# Altium PCB 2019.07.15.master.PcbDoc (part 5 of 7)
Units mm, origin at the board's own origin, x right, y up, seen from the top; angles counter-clockwise.
Board outline 160 x 120 mm, 6 copper layers (Top Signal, Top GND, Inner PWR, Inner Signal, Bottom GND, Bottom Signal), stack 1.571 mm thick; 408 components, 388 nets, 1700 pads, 1310 vias.
Unrouted connection lines stored in the file: 2.
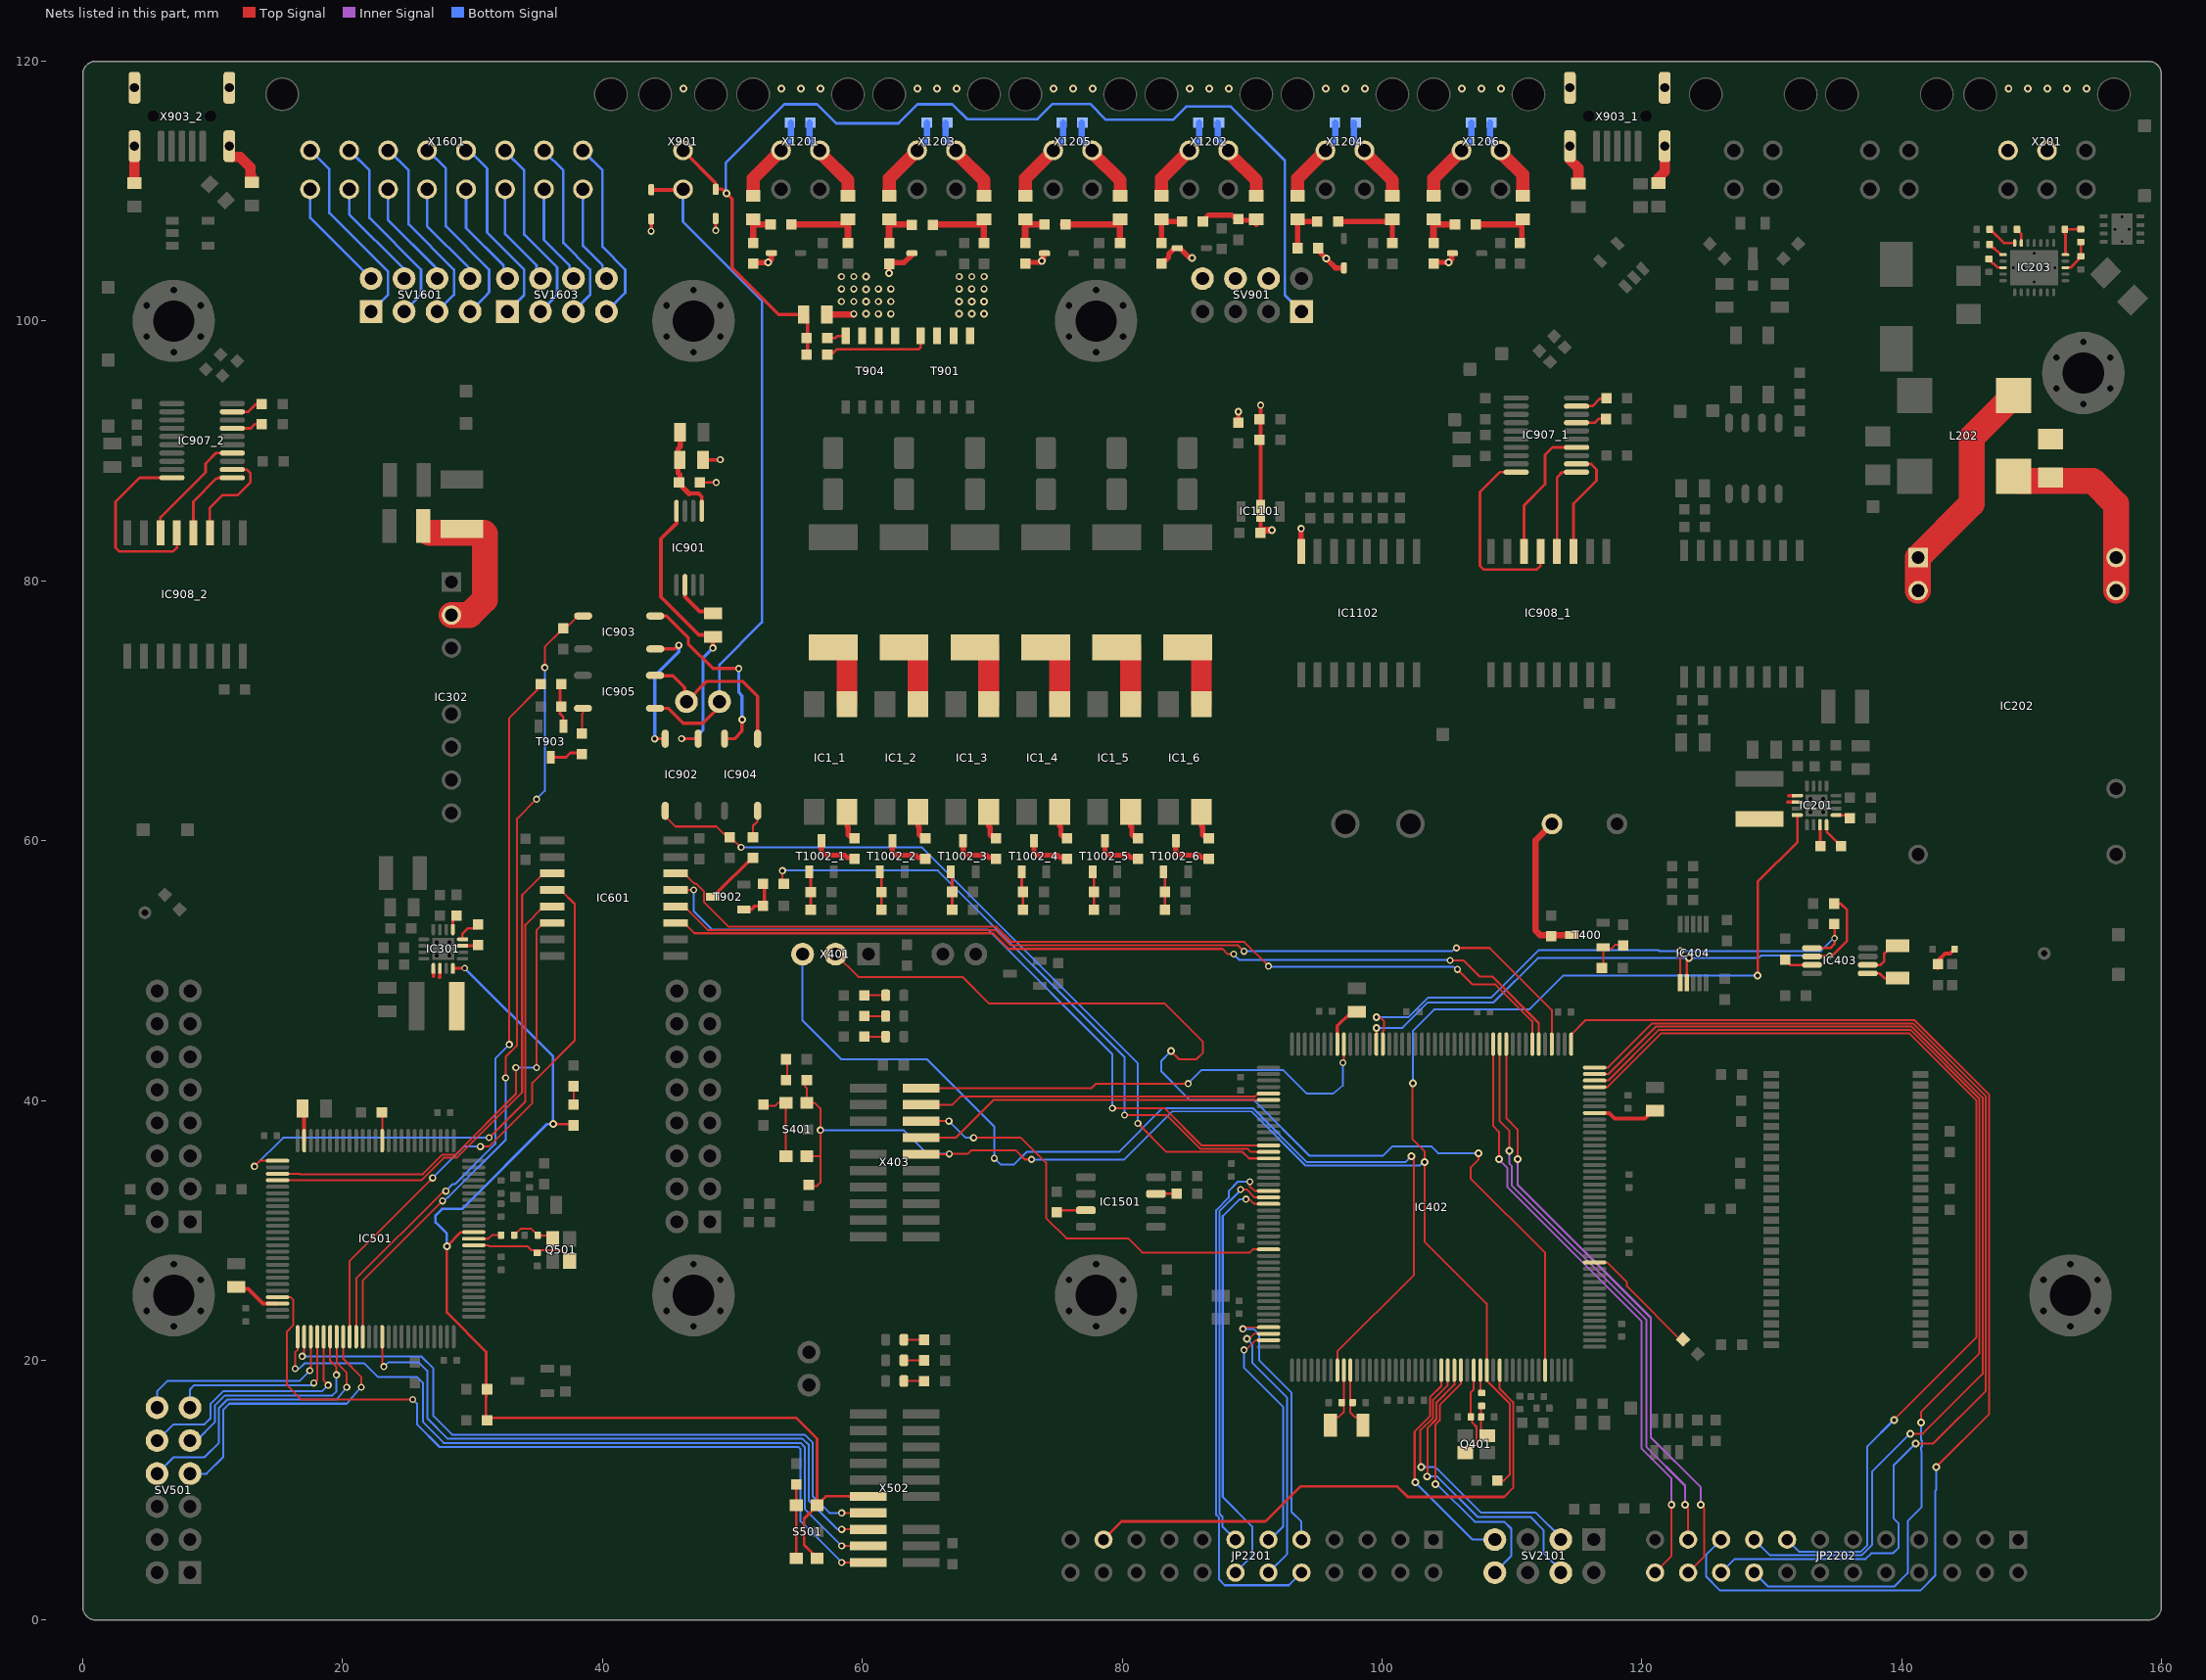
[diagram p9: the nets of this part, all layers, seen from the top]

## Via types
v1: diameter 0.6, hole 0.3, Top Signal to Bottom Signal, 988 vias
v2: diameter 0.55, hole 0.3, Top Signal to Bottom Signal, tented both sides, 231 vias
v3: diameter 0.5, hole 0.3, Top Signal to Bottom Signal, tented both sides, 42 vias
v4: diameter 0.45, hole 0.2, Top Signal to Bottom Signal, 31 vias
v5: diameter 0.55, hole 0.3, Top Signal to Bottom Signal, 12 vias
v6: diameter 0.6, hole 0.3, Top Signal to Bottom Signal, tented both sides, 5 vias
v7: diameter 0.5, hole 0.3, Top Signal to Bottom Signal, 1 vias

## Nets (pads, with @x,y where several pads share a name; then routed paths per layer and width w, separated by ;. In a path a pad name is that pad's centre, name@x,y a point inside that pad or via, vN(x,y) a via of type N, cw(c..) or ccw(c..) an arc to the next point about the centre after c; other vN are vias at no path point) (continued)
GND_EXT_2: C901.2 C902.2 C1101.2 C1102.2 C1103.2 C1104.2 D901.2 D902.2 D1101.2 D1102.2 D1103.2 D1104.2 D1105.2 D1106.2 IC1101.2 IC1102.8 R906.1 R1201.2 R1202.2 R1203.2 R1204.2 R1205.2 R1206.2 SV901.4 SV901.6 SV901.8 T901.1 T901.2 T901.3 T904.1 T904.2 T904.3 X201.1 X201.2 | length 34.7
  Top Signal w0.203: D902.2@43.754,107.846 D902.2@43.78,107.873 ; C902.2@47.541,87.577 v2(48.755,87.577)
  Top Signal w0.254: v2(43.754,106.92) D902.2@43.754,107.846 ; C901.2@47.8,89.323 v2(49.073,89.323) ; v2(48.717,106.985) D901.2@48.717,107.892
  Top Signal w0.305: C1104.2@88.951,92.114 v1(88.951,93.019) ; v2(90.66,93.531) v2(90.66,93.531) 90.661,92.44 IC1101.2@90.661,85.391 C1103.2@90.661,84.026
  Top Signal w0.4: R1201.2@51.595,104.518 51.606,104.507 v1(52.768,104.507) 53.002,104.741 D1101.2@53.002,105.232 ; R1203.2@62.061,104.518 R1203.2@62.072,104.507 ; v1(62.072,103.683) R1203.2@62.072,104.407 R1203.2@62.072,104.507 ; D1103.2@63.823,105.218 63.823,105.095 63.234,104.507 R1203.2@62.072,104.507 ; R1205.2@72.539,104.529 72.55,104.518 73.712,104.518 v1(73.829,104.635) 73.946,104.752 D1105.2@73.946,105.243 ; R1202.2@83.027,104.518 83.178,104.668 83.345,104.668 83.579,104.902 83.579,105.148 84.044,105.613 D1102.2@84.244,105.613 84.444,105.613 85.206,104.851 v1(85.389,104.851) ; IC1102.8@93.777,82.269 v2(93.777,84.026) ; R1204.2@94.998,105.613 94.998,105.513 v1(95.708,104.803) 96.418,104.093 D1104.2@97.079,104.093 ; R1206.2@103.971,104.529 103.982,104.518 v1(105.144,104.518) 105.379,104.752 D1106.2@105.379,105.243
  Top Signal w0.5: R906.1@57.19,100.508 59.292,100.508 59.329,100.544 v2(59.342,100.544) ; C1103.2@90.565,83.693 90.74,83.693 90.947,83.9 v1(91.516,83.9)
  Bottom Signal w1.27: SV901.4@91.27,103.27 SV901.4@91.281,103.27
  other v1: 60.301,100.544 67.468,100.544 68.42,100.544 69.373,100.544 60.301,101.497 67.468,101.51 68.42,101.51 69.373,101.51 60.301,102.449 60.301,103.427 46.232,117.881 53.777,117.881 55.277,117.881 56.777,117.881 64.255,117.881 65.755,117.881 67.255,117.881 74.732,117.881 76.232,117.881 77.732,117.881 85.21,117.881 86.71,117.881 88.21,117.881 95.687,117.881 97.187,117.881 98.687,117.881 106.165,117.881 107.665,117.881 109.165,117.881 148.23,117.881 149.73,117.881 151.23,117.881 152.73,117.881 154.23,117.881
  other v2: 61.247,100.544 62.2,100.544 58.39,101.51 59.342,101.51 61.247,101.51 62.2,101.51 58.39,102.475 59.342,102.475 61.247,102.475 62.2,102.475 67.468,102.475 68.42,102.475 69.373,102.475 58.39,103.427 59.355,103.427 67.468,103.427 68.433,103.427 69.385,103.427
GPIO.RTC_INT#: IC403.7 R410.1 | length 2.2
  Top Signal w0.2: R410.1@131.041,50.847 131.458,50.429 IC403.7@133.101,50.429
GPIO_MCU_1_0: IC501.83 SV501.7 | length 22.4
  Top Signal w0.152: IC501.83@20.042,21.604 20.042,20.106 21.431,18.718 v2(21.431,17.924)
  Bottom Signal w0.152: SV501.7@8.255,11.27 8.269,11.256 9.525,11.256 10.795,12.526 10.795,16.178 11.271,16.654 20.32,16.654 v2(21.431,17.924)
GPIO_MCU_1_1: IC501.82 SV501.8 | length 23
  Top Signal w0.152: IC501.82@19.543,21.604 19.543,19.813 20.32,19.035 v2(20.32,17.924)
  Bottom Signal w0.152: SV501.8@5.715,11.27 6.971,12.526 9.366,12.526 10.477,13.638 10.477,16.336 11.112,16.971 19.526,16.971 v2(20.32,17.924)
GPIO_MCU_1_2: IC501.81 SV501.9 | length 18
  Top Signal w0.152: IC501.81@19.042,21.804 19.042,19.953 19.526,19.47 v2(19.526,18.876)
  Bottom Signal w0.152: SV501.9@8.255,13.81 8.745,13.81 10.16,15.225 10.16,16.495 10.954,17.289 19.209,17.289 19.526,17.606 v2(19.526,18.876)
GPIO_MCU_1_3: IC501.80 SV501.10 | length 19.3
  Top Signal w0.152: IC501.80@18.543,21.604 18.543,18.431 v2(18.891,18.083)
  Bottom Signal w0.152: SV501.10@5.715,13.81 6.971,15.066 9.366,15.066 9.842,15.543 9.842,16.654 10.795,17.606 18.415,17.606 v2(18.891,18.083)
GPIO_MCU_1_4: IC501.79 SV501.11 | length 14.9
  Top Signal w0.152: 18.042,18.455 v2(17.78,18.241) 18.042,18.504 IC501.79@18.042,21.604
  Bottom Signal w0.152: SV501.11@8.255,16.35 8.255,17.765 8.572,18.083 17.621,18.083 v2(17.78,18.241)
GPIO_MCU_1_5: IC501.78 SV501.12 | length 16.1
  Top Signal w0.152: v2(17.462,19.194) 17.543,19.274 IC501.78@17.543,21.604
  Bottom Signal w0.152: SV501.12@5.715,16.35 5.715,17.606 6.509,18.4 16.669,18.4 v2(17.462,19.194)
HSE_1_MCU_0: C402.2 IC402.29 Q401.1 | length 7.1
  Top Signal w0.152: Q401.1@106.424,12.893 106.824,13.293 107,13.293 107.283,13.577 107.283,14.863 106.932,15.214 106.932,15.541 C402.2@106.839,15.634 106.839,17.531 107.072,17.764 IC402.29@107.072,19.234
HSE_1_MCU_1: C501.2 IC501.12 Q501.1 | length 7.9
  Top Signal w0.152: IC501.12@30.092,28.854 31.183,28.854 31.255,28.782 34.212,28.782 34.523,28.471 36.755,28.471 37.049,28.177 37.049,28.068 Q501.1@37.473,27.644
HSE_2_MCU_0: IC402.30 Rext_0.1 | length 1.8
  Top Signal w0.152: IC402.30@107.56,19.221 IC402.30@107.573,19.234 107.573,17.588 Rext_0.1@107.681,17.48
HSE_2_MCU_1: IC501.13 Rext_1.1 | length 2.2
  Top Signal w0.152: IC501.13@30.092,29.354 31.209,29.354 31.483,29.628 Rext_1.1@32.201,29.628
I2C3.SCL: IC402.119 IC403.6 IC404.7 R414.1 | length 47.3
  Top Signal w0.2: IC402.119@99.573,44.334 99.573,45.335 99.577,45.34 v1(99.577,45.587) ; IC404.7@123.462,49.061 123.462,50.891 123.524,50.953 v1(123.65,50.953) ; IC403.6@133.101,51.079 133.152,51.13 v3(134.468,51.13) 134.544,51.13 134.595,51.079 135.803,52.288 135.803,54.654 135.304,55.154 R414.1@134.807,55.154
  Bottom Signal w0.15: v1(99.577,45.587) 101.587,45.587 103.549,47.549 108.605,47.549 112.009,50.953 v1(123.65,50.953) 128.98,50.953 129.182,51.156 v3@134.468,51.156
I2C3.SDA: IC402.118 IC403.5 IC404.6 R415.1 | length 46.2
  Top Signal w0.15: v1(99.577,46.392) 99.865,46.392 100.178,46.079 100.178,45.44 100.072,45.335 IC402.118@100.072,44.334 ; IC404.6@122.962,49.061 v1(122.963,51.511)
  Top Signal w0.2: IC403.5@133.102,51.729 134.527,51.729 134.849,52.052 v3(134.849,52.49) 134.849,53.529 R415.1@134.805,53.573
  Bottom Signal w0.15: v1(99.577,46.392) 102.038,46.392 103.55,47.904 108.409,47.904 112.066,51.56 121.305,51.56 121.354,51.511 v1(122.963,51.511) 126.298,51.511 126.316,51.493 126.732,51.493 126.75,51.511 133.808,51.511 v3@134.817,52.521
INTERLOCK_CONTROL_MCU_0: IC402.146 R909.2 | length 50
  Top Signal w0.152: R909.2@53.859,56.678 v2(53.859,57.683) ; v2(80.188,38.862) 83.44,38.862 86.021,36.281 89.66,36.281 89.908,36.034 IC402.146@91.072,36.034
  Bottom Signal w0.152: v2(53.859,57.683) 53.879,57.704 65.822,57.704 80.188,43.338 80.188,39.002 80.328,38.862 v2(80.188,38.862)
INTERLOCK_CONTROL_MCU_1: IC501.85 R912.2 | length 56.5
  Top Signal w0.152: IC501.85@21.042,21.604 21.042,26.291 27.696,32.944 27.864,32.944 v2(27.94,33.02) ; v2(32.827,44.312) 32.827,69.449 35.186,71.808 R912.2@35.186,72.058
  Bottom Signal w0.152: v2(27.94,33.02) 28.478,33.558 28.646,33.558 31.752,36.664 31.752,43.236 v2(32.827,44.312)
INTERLOCK_FEEDBACK_MCU_0: IC402.147 IC902.3 R903.2 | length 59.8
  Top Signal w0.152: IC902.3@44.831,61.84 44.863,61.84 45.618,61.085 48.785,61.085 49.709,60.161 R903.2@49.809,60.161 ; R903.2@49.818,60.161 49.951,60.161 50.626,59.487 v2(50.667,59.487) ; v2(81.217,38.227) 83.415,36.029 89.271,36.029 89.766,35.534 IC402.147@91.072,35.534
  Bottom Signal w0.152: v2(50.667,59.487) 64.573,59.487 81.217,42.843 v2(81.217,38.227)
INTERLOCK_FEEDBACK_MCU_1: IC501.86 IC903.3 R904.2 | length 63
  Top Signal w0.152: IC501.86@21.543,21.804 21.543,26.115 v2(27.686,32.258) ; v2(32.544,41.736) 32.544,43.352 33.436,44.244 33.436,61.697 v2(34.925,63.187) ; v2(35.56,73.328) 35.56,74.921 36.889,76.25 37.064,76.25 38.112,77.298 IC903.3@38.511,77.298
  Bottom Signal w0.152: v2(27.686,32.258) 27.794,32.258 28.077,32.542 28.138,32.542 32.544,36.947 v2(32.544,41.736) ; v2(34.925,63.187) 35.56,63.822 v2(35.56,73.328)
INTERLOCK_STATUS: D901.1 R905.1 R906.2 R913.1 SV901.1 X901.1 | length 85.5
  Top Signal w0.152: X901.1@46.2,113.06 X901.1@46.2,113.14
  Top Signal w0.254: X901.1@46.2,113.14 48.717,110.623 D901.1@48.717,110.142 49.243,110.142 v1(49.555,109.83) 49.976,109.409 49.976,104.094 53.562,100.508 55.79,100.508 R905.1@55.79,97.409
  Bottom Signal w0.203: v1@49.505,109.929 49.505,112.192 54,116.688 56.515,116.688 57.988,115.214 62.789,115.214 64.262,116.688 66.929,116.688 68.072,115.545 73.482,115.545 74.651,116.713 77.546,116.713 78.765,115.494 83.922,115.494 84.938,116.51 88.367,116.51 92.532,112.344 92.532,102.008 SV901.1@93.81,100.73 SV901.1@93.821,100.719
ISO_FTDI_DTR_1: IC907_1.1 IC908_1.4 | length 7.4
  Top Signal w0.2: IC908_1.4@113.476,82.269 113.476,87.937 113.855,88.316 ; 113.762,88.316 113.855,88.316 ; 113.855,88.316 113.903,88.364 IC907_1.1@114.98,88.364 ; IC907_1.1@114.98,88.364 IC907_1.1@114.983,88.367 IC907_1.1@114.98,88.364
ISO_FTDI_DTR_2: IC907_2.1 IC908_2.4 | length 6.2
  Top Signal w0.2: IC908_2.4@8.509,83.693 8.509,86.106 10.287,87.884 10.381,87.884 10.429,87.932 11.505,87.932 IC907_2.1@11.508,87.935
ISO_FTDI_RTS_1: IC907_1.2 IC908_1.3 | length 8.8
  Top Signal w0.2: IC908_1.3@114.746,82.269 114.746,85.948 116.52,87.722 116.52,88.58 116.101,88.999 114.985,88.999 IC907_1.2@114.983,89.002
ISO_FTDI_RTS_2: IC907_2.2 IC908_2.3 | length 8.1
  Top Signal w0.2: IC908_2.3@9.779,83.693 9.779,85.623 10.744,86.589 11.905,86.589 12.903,87.587 12.903,88.29 12.627,88.567 11.511,88.567 IC907_2.2@11.508,88.57
ISO_FTDI_RX_1: IC907_1.4 IC908_1.6 | length 10.8
  Top Signal w0.2: IC908_1.6@110.936,82.269 110.936,85.806 112.561,87.43 112.561,89.702 113.13,90.272 IC907_1.4@114.983,90.272
ISO_FTDI_RX_2: IC907_2.4 IC908_2.6 | length 9.2
  Top Signal w0.2: IC908_2.6@5.969,83.693 5.969,84.887 9.449,88.367 9.449,89.027 10.262,89.84 IC907_2.4@11.508,89.84
ISO_FTDI_TX_1: IC907_1.20 IC908_1.5 | length 15.1
  Top Signal w0.2: IC907_1.20@110.333,88.367 109.072,88.367 107.544,86.839 107.544,81.153 107.823,80.874 111.927,80.874 112.206,81.153 IC908_1.5@112.206,82.269
ISO_FTDI_TX_2: IC907_2.20 IC908_2.5 | length 14.7
  Top Signal w0.2: IC907_2.20@6.858,87.935 4.369,87.935 2.515,86.081 2.515,82.55 2.794,82.271 6.96,82.271 7.239,82.55 IC908_2.5@7.239,83.693
ISO_GPIO_MCU_0_IN_0: IC402.100 JP2202.21 | length 44.1
  Top Signal w0.15: IC402.100@109.072,44.334 109.072,38.404 109.804,37.672 v1(109.804,36.119) ; v1(123.339,8.865) 123.572,8.631 JP2202.21@123.572,6.19
  Inner Signal w0.15: v1(109.804,36.119) 109.804,35.143 109.99,34.956 109.99,33.478 120.346,23.122 120.346,13.334 123.339,10.341 v1(123.339,8.865)
ISO_GPIO_MCU_0_IN_1: IC402.101 JP2202.24 | length 47.4
  Top Signal w0.15: IC402.101@108.573,44.334 108.573,38.025 109.015,37.583 v1(109.015,35.489) v1@109.25,35.489 ; JP2202.24@121.032,3.65 122.301,4.919 v1(122.301,8.865)
  Inner Signal w0.15: v1@109.25,35.489 v1(109.015,35.489) 109.101,35.403 109.101,35.35 109.64,34.811 109.64,33.333 119.996,22.977 119.996,13.189 122.301,10.884 v1(122.301,8.865)
ISO_GPIO_MCU_0_IN_2: IC402.154 JP2201.14 | length 33.6
  Top Signal w0.152: v2(89.535,32.396) 89.789,32.396 90.151,32.034 IC402.154@91.072,32.034
  Bottom Signal w0.152: JP2201.14@88.27,3.19 JP2201.14@88.73,3.65 90.011,4.931 90.011,7.21 87.744,9.478 87.744,31.09 89.05,32.396 v2(89.535,32.396)
ISO_GPIO_MCU_0_IN_3: IC402.173 JP2201.9 | length 21.4
  Top Signal w0.12: v2(89.297,22.418) 89.324,22.418 89.44,22.534 IC402.173@91.273,22.534
  Top Signal w0.152: v2@89.324,22.418 89.372,22.418 v2@89.429,22.36
  Bottom Signal w0.152: v2@89.311,22.418 90.117,22.418 90.56,21.974 90.56,19.981 93.027,17.513 93.027,8.344 93.81,7.561 JP2201.9@93.81,6.19 JP2201.9@94.27,5.73
ISO_GPIO_MCU_0_OUT_0: IC402.152 JP2201.10 | length 41
  Top Signal w0.152: v2(89.832,33.742) 89.832,33.402 90.201,33.034 IC402.152@91.072,33.034
  Bottom Signal w0.152: v2(89.832,33.742) 88.923,33.742 88.203,33.022 88.203,32.519 87.239,31.555 87.239,8.091 87.471,7.859 87.471,3.105 87.904,2.673 92.833,2.673 JP2201.10@93.81,3.65
ISO_GPIO_MCU_0_OUT_1: IC402.153 JP2201.13 | length 30.4
  Top Signal w0.152: v2(89.119,33.147) 89.577,33.147 90.19,32.534 IC402.153@91.072,32.534
  Bottom Signal w0.152: JP2201.13@88.73,6.19 87.724,7.196 87.724,7.964 87.492,8.196 87.492,31.45 89.119,33.077 v2(89.119,33.147)
ISO_GPIO_MCU_0_OUT_2: IC402.174 JP2201.12 | length 22.5
  Top Signal w0.12: v1(89.624,21.663) 89.624,21.584 89.675,21.534 90.175,22.034 IC402.174@91.273,22.034
  Bottom Signal w0.152: v1@89.624,21.624 90.011,21.237 90.011,19.818 92.71,17.12 92.71,5.09 JP2201.12@91.27,3.65 JP2201.12@90.81,3.19
ISO_GPIO_MCU_0_OUT_3: IC402.175 JP2201.11 | length 18.6
  Top Signal w0.12: v2(89.376,20.792) 89.459,20.874 89.611,20.874 90.271,21.534 IC402.175@91.273,21.534
  Bottom Signal w0.152: v2(89.376,20.792) 89.376,19.437 92.392,16.421 92.392,7.175 JP2201.11@91.281,6.064
ISONOC_0_CONTROL: IC402.85 JP2202.15 | length 77.7
  Top Signal w0.15: IC402.85@116.372,41.034 117.378,41.034 121.523,45.179 140.578,45.179 145.745,40.012 145.745,21.742 139.435,15.432 v1(139.435,15.391)
  Bottom Signal w0.15: JP2202.15@131.192,6.19 132.135,5.247 136.844,5.247 137.363,5.766 137.363,13.36 139.394,15.391 v1(139.435,15.391)
ISONOC_1_CONTROL: IC402.86 JP2202.18 | length 85
  Top Signal w0.15: IC402.86@116.372,41.534 117.423,41.534 121.318,45.429 140.681,45.429 145.995,40.115 145.995,20.519 141.518,16.042 v1(141.518,15.189) v1@141.518,15.176
  Bottom Signal w0.152: JP2202.18@128.652,3.65 129.724,2.578 139.448,2.578 140.476,3.606 140.476,7.616 141.553,8.693 141.553,13.007 141.498,13.062 141.498,13.298 141.575,13.376 141.575,13.793 141.498,13.87 141.498,15.169 v1(141.518,15.189)
ISONOC_2_CONTROL: IC402.87 JP2202.17 | length 82.4
  Top Signal w0.15: IC402.87@116.372,42.034 117.433,42.034 121.078,45.679 140.785,45.679 146.245,40.219 146.245,18.945 141.645,14.345 140.859,14.345 140.656,14.143 v1(140.656,14.345)
  Bottom Signal w0.152: JP2202.17@128.652,6.19 129.846,4.996 136.948,4.996 137.719,5.766 137.719,11.407 v1(140.656,14.345)
ISONOC_3_CONTROL: IC402.88 JP2202.20 | length 87.3
  Top Signal w0.15: IC402.88@116.372,42.534 117.409,42.534 120.805,45.929 140.888,45.929 146.495,40.322 146.495,17.637 142.442,13.584 141.272,13.584 141.072,13.384 v1(141.072,13.584)
  Bottom Signal w0.152: JP2202.20@126.112,3.65 127.161,4.699 137.236,4.699 137.668,5.131 139.319,5.131 139.776,5.588 139.776,7.423 139.375,7.824 139.375,11.887 v1(141.072,13.584)
ISONOC_4_CONTROL: IC402.89 JP2202.19 | length 95.7
  Top Signal w0.152: IC402.89@114.572,44.334 114.572,45.084 115.669,46.18 140.992,46.18 146.746,40.426 146.746,15.857 v1@142.672,11.782
  Bottom Signal w0.152: JP2202.19@125.653,5.731 124.964,5.042 124.964,3.332 126.009,2.286 141.47,2.286 142.595,3.411 142.595,9.953 142.672,10.03 v1(142.672,11.782)
ISONOC_5_CONTROL: IC402.99 JP2202.22 | length 47.6
  Top Signal w0.152: IC402.99@109.573,44.334 109.573,38.646 110.445,37.774 v1(110.445,35.484) ; JP2202.22@123.572,3.65 124.816,4.894 124.816,8.597 v1(124.548,8.865)
  Inner Signal w0.152: v1(110.445,35.484) 110.527,35.484 110.445,35.402 110.445,33.52 120.698,23.268 120.698,14.06 124.548,10.209 v1(124.548,8.865)
LSE_1_MCU_0: C428.2 IC402.9 Q402.2 | length 4.8
  Top Signal w0.15: Q402.2@96.038,14.994 96.038,15.206 96.463,15.631 96.675,15.631 97.073,16.029 97.073,16.736 IC402.9@97.073,19.234
LSE_2_MCU_0: C429.1 IC402.10 Q402.1 | length 4.8
  Top Signal w0.152: IC402.10@97.573,19.234 97.573,16.736 97.573,15.959 97.898,15.634 98.114,15.634 98.538,15.21 Q402.1@98.538,14.994
MCU_0_NRESET: C425.1 IC201.4 IC402.31 R404.1 R405.1 S401.3 S401.4 X403.10 | length 144.4
  Top Signal w0.15: v1(102.387,41.326) 102.362,41.3 102.362,37.008 103.278,36.092 v1(103.278,35.244) 103.278,29.139 108.072,24.344 IC402.31@108.072,19.234
  Top Signal w0.152: R404.1@55.628,41.578 55.628,41.026 55.728,40.926 S401.4@55.728,39.818 56.329,39.818 56.769,39.378 v2(56.769,37.719) 56.769,35.717 ; S401.3@55.728,35.717 56.769,35.717 ; R405.1@55.88,33.388 56.482,33.388 56.769,33.675 56.769,35.717 ; X403.10@64.535,35.863 66.675,35.863 v2(66.69,35.878) 68.119,35.878 68.411,36.17 71.792,36.17 72.503,35.458 v2(73.025,35.458) ; IC402.31@108.072,19.234 108.072,18.444 109.843,16.674 109.843,11.186 109.385,10.728 C425.1@108.872,10.728
  Top Signal w0.2: v1(128.93,49.606) 128.93,56.845 131.996,59.911 IC201.4@131.996,61.963
  Bottom Signal w0.15: v2(73.025,35.458) 80.165,35.458 83.858,39.152 89.958,39.152 94.121,34.989 102.901,34.989 103.156,35.244 v1(103.278,35.244) ; v1(102.387,41.326) 102.387,45.37 104.016,46.999 111.337,46.999 113.944,49.606 v1(128.93,49.606)
  Bottom Signal w0.152: v2(56.769,37.719) 63.172,37.719 65.013,35.878 v2(66.69,35.878)
MCU_0_RTC_ALARM_OUT: IC402.8 X401.3 | length 80.7
  Top Signal w0.15: IC402.8@96.572,19.234 96.575,19.236 96.575,20.686 102.464,26.575 102.464,35.509 v1(102.26,35.712)
  Bottom Signal w0.15: v2(70.168,35.545) 70.644,35.068 71.687,35.068 72.653,36.034 79.749,36.034 83.117,39.402 90.062,39.402 94.225,35.239 101.787,35.239 v1(102.26,35.712)
  Bottom Signal w0.152: X401.3@55.404,51.261 55.404,46.14 58.377,43.167 64.968,43.167 70.168,37.968 v2(70.168,35.545)
MCU_0_RTC_WAKEUP_IN: IC402.40 X401.2 | length 83.7
  Top Signal w0.15: X401.2@57.944,51.261 59.7,49.505 67.713,49.505 69.737,47.48 83.243,47.48 86.231,44.492 86.231,43.686 85.712,43.167 84.377,43.167 v1(83.754,43.79) ; v1(107.427,35.933) 107.427,35.428 106.821,34.822 106.821,33.997 112.572,28.245 IC402.40@112.572,19.234
  Bottom Signal w0.15: v1(83.754,43.79) 83.013,43.049 83.013,42.231 85.214,40.031 90.14,40.031 94.432,35.739 100.08,35.739 100.805,36.464 103.789,36.464 104.321,35.933 v1(107.427,35.933)
MCU_0_SWCLK: IC402.137 X403.4 | length 26.9
  Top Signal w0.152: X403.4@64.535,39.673 66.939,39.673 67.552,40.286 90.235,40.286 90.483,40.534 IC402.137@91.072,40.534
MCU_0_SWDIO: IC402.124 X403.2 | length 37.6
  Top Signal w0.152: X403.2@64.535,40.943 77.646,40.943 78,41.296 v2(85.083,41.296) ; IC402.124@97.072,44.534 v2@97.072,42.979 ; v2@97.072,42.979 97.072,42.972 v2(96.996,42.896) v2@97.072,42.979
  Bottom Signal w0.152: v2(85.083,41.296) 86.138,42.351 92.388,42.351 94.226,40.513 96.232,40.513 96.996,41.15 v2(96.996,42.896)
MCU_0_SWO: IC402.161 X403.6 | length 33.3
  Top Signal w0.152: X403.6@64.535,38.403 v2(66.675,38.403) ; v2(68.567,37.119) 68.58,37.133 72.213,37.133 74.149,35.196 74.149,30.949 75.712,29.386 79.959,29.386 80.47,29.386 81.563,28.293 83.623,28.293 84.019,28.293 84.257,28.293 84.653,28.293 89.832,28.293 90.073,28.534 IC402.161@91.072,28.534
  Bottom Signal w0.152: v2(66.675,38.403) 67.958,37.119 v2(68.567,37.119)
MCU_0_TDI: IC402.138 X403.8 | length 27.9
  Top Signal w0.152: X403.8@64.535,37.133 67.188,37.133 70.089,40.034 IC402.138@91.273,40.034
MCU_1_NRESET: C509.1 IC301.4 IC501.14 R503.1 R505.1 S501.3 S501.4 X502.10 | length 89.9
  Top Signal w0.2: IC301.4@28.485,50.181 v3(29.4,50.181)
  Top Signal w0.203: IC501.14@30.092,29.854 29.091,29.854 28.016,28.779 v1(28.016,28.753) 28.016,23.673 31.046,20.643 31.046,17.188 31.021,17.163 31.021,15.384 31.208,15.57 54.915,15.57 56.521,13.964 S501.4@56.521,8.845 ; v1@36.17,38.179 R503.1@37.782,38.179 ; S501.3@56.521,4.745 56.571,4.745 55.524,5.792 55.524,7.798 56.571,8.845 S501.4@56.521,8.845 ; X502.10@60.465,9.51 58.963,9.51 58.948,9.525 57.201,9.525 S501.4@56.521,8.845
  Bottom Signal w0.203: v1(28.016,28.753) 28.016,29.754 27.153,30.617 27.153,31.14 27.661,31.648 29.21,31.648 35.738,38.176 v1@36.17,38.176 ; v3(29.4,50.181) 36.195,43.385 v1(36.195,38.176)
MCU_1_SWCLK: IC501.76 X502.4 | length 57.2
  Top Signal w0.152: v2(16.351,19.353) 16.337,19.367 16.337,20.596 16.543,20.802 IC501.76@16.543,21.804 ; v2(58.42,5.7) X502.4@60.465,5.7
  Bottom Signal w0.152: v2(16.351,19.353) 16.669,19.353 17.064,19.748 21.671,19.748 22.701,18.718 25.717,18.718 26.194,18.241 26.194,15.225 27.781,13.638 55.245,13.638 55.562,13.32 55.562,8.558 v2(58.42,5.7)